# Altium PCB Control_Board_Model_C204.PcbDoc (part 6 of 6)
Units mm, origin at the board's own origin, x right, y up, seen from the top; angles counter-clockwise.
Board outline 50 x 50 mm, 8 copper layers (1-Top, 2-GND, 3-SIGNAL, 4-PWR, 5-GND, 6-SIGNAL, 7-GND, 8-Bottom), stack 0.972 mm thick; 432 components, 324 nets, 1521 pads, 1172 vias.
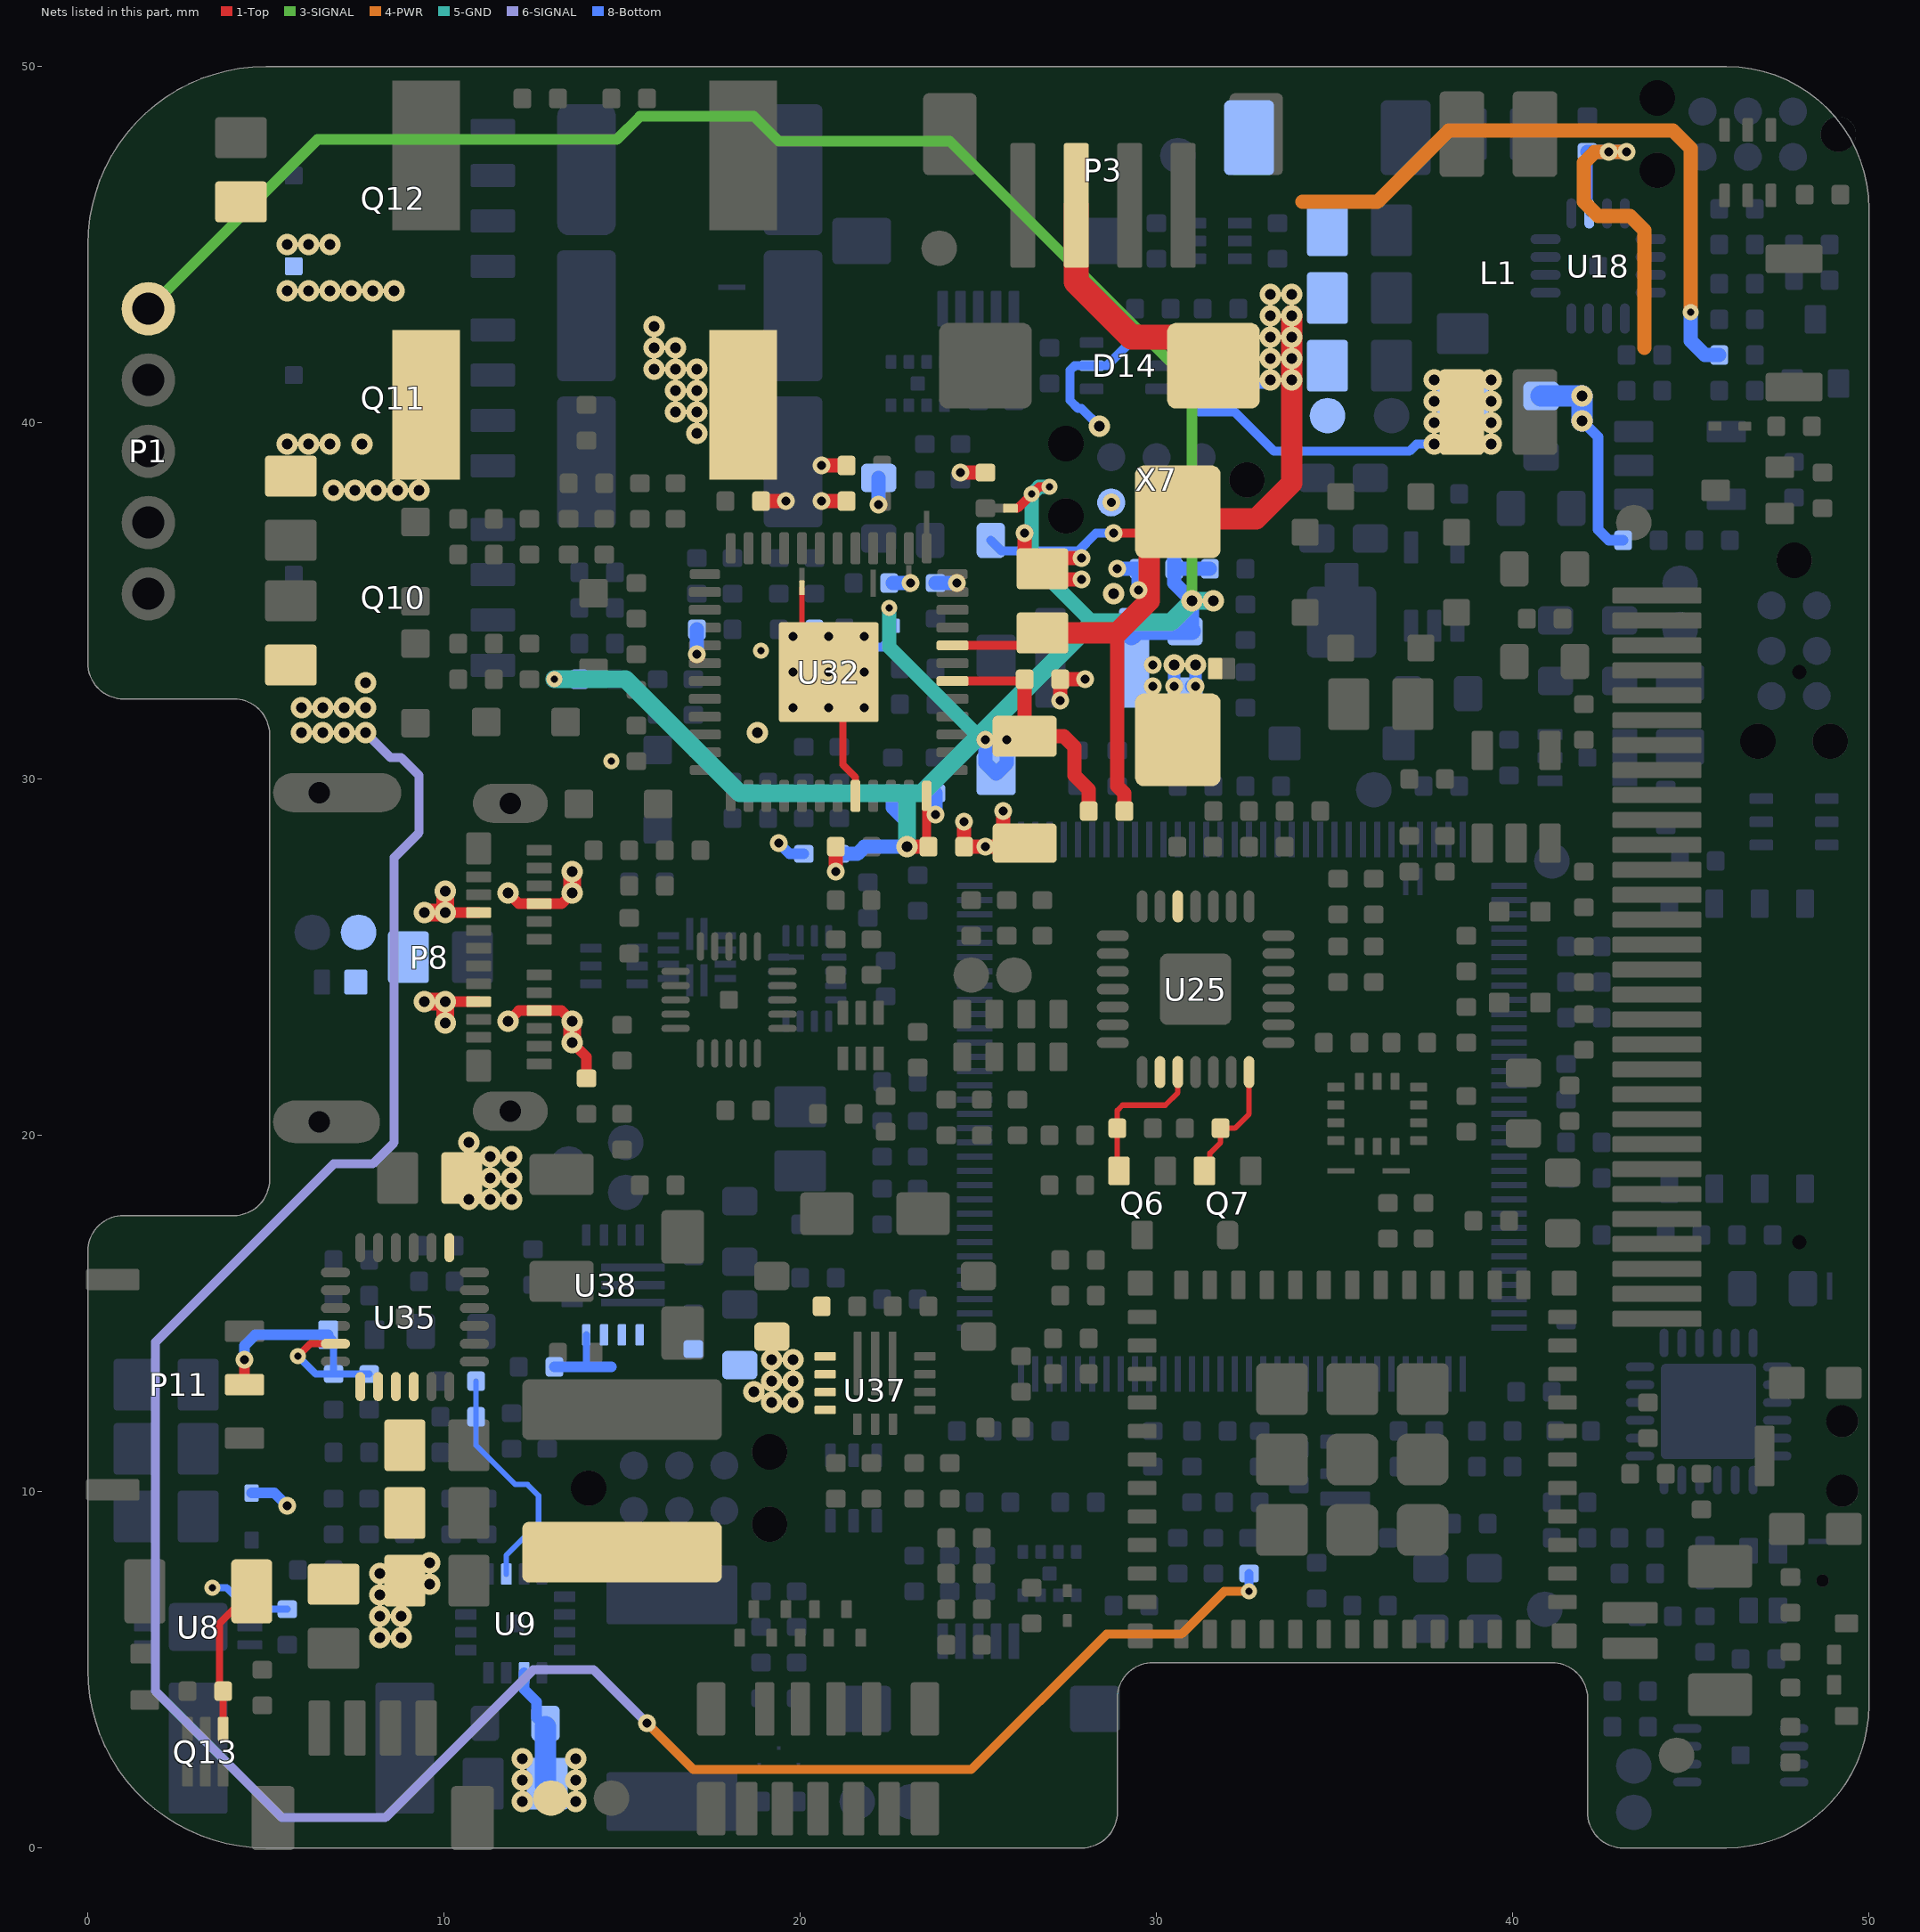
[diagram p12: the nets of this part, all layers, seen from the top]

## Via types
v1: diameter 0.45, hole 0.2, 1-Top to 8-Bottom, tented both sides, 333 vias
v2: diameter 0.5, hole 0.25, 7-GND to 8-Bottom, tented bottom, 258 vias
v3: diameter 0.6, hole 0.3, 1-Top to 8-Bottom, tented both sides, 236 vias
v4: diameter 0.5, hole 0.25, 1-Top to 2-GND, tented top, 231 vias
v5: diameter 0.5, hole 0.25, 1-Top to 8-Bottom, tented both sides, 113 vias
v6: diameter 0.45, hole 0.2, 1-Top to 2-GND, tented top, 1 vias

## Nets (pads, with @x,y where several pads share a name; then routed paths per layer and width w, separated by ;. In a path a pad name is that pad's centre, name@x,y a point inside that pad or via, vN(x,y) a via of type N, cw(c..) or ccw(c..) an arc to the next point about the centre after c; other vN are vias at no path point) (continued)
SIG-GND: C115.1 C136.1 C137.1 C138.1 C139.1 C140.1 C141.2 C142.2 C143.1 C144.1 C145.2 C149.2 D14.2 D14.4 D15.2 J3.2 J10.1 R117.1 R119.1 R140.1 R167.2 R168.2 R171.1 U32.44 U32.49 X7.5 | length 29.5
  1-Top w0.152: J10.1@20.05,35.369 20.05,33.75 v4(20.8,33)
  1-Top w0.2: v4(20.8,33) 21.2,32.6 21.2,30.4 21.55,30.05 U32.44@21.55,29.525
  1-Top w0.4: C115.1@18.9,37.8 v4(19.6,37.8) ; v4(20.6,37.8) C138.1@21.3,37.8 ; v4(20.6,38.8) R168.2@21.3,38.8 ; v4(21,27.4) R167.2@21,28.1 ; v4(24.5,38.6) C145.2@25.2,38.6 ; v4(24.6,28.8) C149.2@24.6,28.1 C139.1@26,28.1 ; C139.1@25.7,28.4 v4(25.7,29.1) ; C144.1@26.3,36.2 v4(26.3,36.9) ; C144.1@27.2,35.6 v4(27.9,35.6) ; C144.1@27.2,36.2 v4(27.9,36.2) ; v4(27.3,32.2) C141.2@27.3,32.8 v4(28,32.8)
  8-Bottom w0.25: v3(28.4,39.9) 27.9,40.4 27.8,40.4 27.573,40.627 27.573,41.473 27.7,41.6 D14.2@28.18,41.6 28.6,41.6 29.25,42.25 D14.4@30.02,42.25
  8-Bottom w0.3: v2(19.4,28.2) 19.7,27.9 R140.1@20.1,27.9
  8-Bottom w0.35: v4(30.5,32.6) v3(30.5,33.2) ; C140.1@31.1,32.7 v3(31.1,33.2)
  8-Bottom w0.4: v2(17.1,33.5) R117.1@17.1,34.2 ; v2(22.2,37.7) R171.1@22.2,38.45 ; C143.1@22.6,35.5 v2(23.1,35.5) ; v2(23.8,29) R119.1@23.8,29.6 ; C137.1@23.8,35.5 v2(24.4,35.5) ; v2(25.2,31.1) 25.2,30.449 D15.2@25.5,30.149 25.8,30.449 v2(25.8,31.1) ; v2(28.9,35.9) C136.1@29.5,35.9 v2(29.5,35.3) ; C140.1@31,32.6 C140.1@31.1,32.7
  other v1: 14.7,30.5 18.9,33.6
  other v3: 18.8,31.3 28.8,35.2
  other v4: 25.2,28.1 19.8,32 20.8,32 21.8,32 29.9,32.6 31.1,32.6 19.8,33 21.8,33 29.9,33.2 19.8,34 20.8,34 21.8,34
  other v5: 28.73,37.765
STBY/R\E\S\E\T\: C45.2 R69.1 U9.14 | length 6.7
  8-Bottom w0.152: R69.1@10.9,13.1 C45.2@10.9,12.1 10.9,11.3 12,10.2 12.341,10.2 12.654,9.888 12.654,9.123 11.75,8.219 U9.14@11.75,7.685
SUSP: U25.12
TS: D20.1 P11.2 R177.2 R178.2 U35.11 | length 8.1
  1-Top w0.2: v1(5.9,13.8) 6.25,14.15 U35.11@6.95,14.15
  1-Top w0.3: P11.2@4.4,13 v5(4.4,13.7)
  8-Bottom w0.2: v1(5.9,13.8) 6.4,13.3 R178.2@6.9,13.3 ; D20.1@6.75,14.4 6.9,14.25 R178.2@6.9,13.3 ; R177.2@7.9,13.3 R178.2@6.9,13.3
  8-Bottom w0.3: v5(4.4,13.7) 4.4,14.1 4.7,14.4 D20.1@6.75,14.4
UART0.CTS: U25.23
UART0.DTR: Q7.2 R57.1 U25.28 | length 3.5
  1-Top w0.152: Q7.2@31.35,19 31.5,19.15 31.5,19.5 31.8,19.8 R57.1@31.8,20.2 32.2,20.2 32.6,20.6 U25.28@32.6,21.776
UART0.RTS: Q6.2 R58.1 U25.24 | length 4.2
  1-Top w0.152: Q6.2@28.95,19 28.9,19.05 R58.1@28.9,20.2 28.9,20.7 29.046,20.846 30.246,20.846 30.6,21.2 U25.24@30.6,21.776
VBAT: C4.2 C164.2 D2.2 Q13.4 R152.1 R153.2 U8.1 U35.13 U35.14 | length 7.9
  1-Top w0.2: Q13.4@3.8,3.34 R153.2@3.8,4.4 3.7,4.5 3.7,6.3 R152.1@4.6,7.2
  1-Top w0.25: R152.1@4.6,7.2 R152.1@4.8,7
  8-Bottom w0.2: v1(3.5,7.3) 3.9,7.3 4.3,6.9 U8.1@4.3,6.7 ; U8.1@4.55,6.7 C4.2@5.6,6.7
  8-Bottom w0.3: D2.2@4.6,9.96 5.24,9.96 v5(5.6,9.6)
VBUS: C59.1 C159.1 D4.1 P8.A4 P8.A9 P8.B4 P8.B9 R85.1 TP12.1 U35.1 | length 10.7
  1-Top w0.3: v3(10.04,23.75) P8.B4@10.97,23.75 ; v3(10.04,26.25) P8.B9@10.97,26.25 ; v3(11.8,23.2) 12.1,23.5 P8.A9@12.67,23.5 13.3,23.5 v3(13.6,23.2) ; v3(11.8,26.8) 12.1,26.5 P8.A4@12.67,26.5 13.3,26.5 v3(13.6,26.8) ; v3(13.6,22.6) 14,22.2 R85.1@14,21.6
  1-Top w0.5: v3(9.45,23.75) v3(10.04,23.75) v3(10.04,23.15) ; v3(9.45,26.25) v3(10.04,26.25) v3(10.04,26.85) ; v3(13.6,22.6) v3(13.6,23.2) ; v3(13.6,26.8) v3(13.6,27.4)
  other v3: 10.7,18.2 11.3,18.2 11.9,18.2 11.3,18.8 11.9,18.8 11.3,19.4 11.9,19.4 10.7,19.8
VDD: C136.2 C140.2 C149.1 D16.1 J9.2 L2.1 P1.5 R116.2 R118.2 R120.1 R139.2 R166.1 U32.48 X7.1 | length 92.5
  1-Top w0.25: C149.1@23.5,28 23.55,28.05 U32.48@23.55,29.525 ; J9.2@26.1,37.6 v1(26.5,38) 26.7,38.2 v1(27,38.2)
  1-Top w0.4: v3(23,28.1) C149.1@23.6,28.1
  3-SIGNAL w0.3: P1.5@1.7,43.2 6.452,47.952 14.852,47.952 15.5,48.6 18.7,48.6 19.4,47.9 24.2,47.9 31,41.1 v3(31,35)
  5-GND w0.4: v1(22.5,34.8) 22.5,33.7 25,31.2 ; v1(27,38.2) 26.7,38.2 v1(26.5,38) 26.5,36.1 28.2,34.4
  5-GND w0.5: v1(13.1,32.8) 15.1,32.8 18.3,29.6 23,29.6 ; v3(23,28.1) 23,29.6 ; v3(31.6,35) v3(31,35) 30.4,34.4 28.2,34.4 25,31.2 23.4,29.6 23,29.6
  8-Bottom w0.25: R116.2@20.4,34.2 20.4,33.8 20.5,33.7 22.3,33.7 22.5,33.9 v1(22.5,34.8)
  8-Bottom w0.4: v1(13.1,32.8) R120.1@13.8,32.8 ; R139.2@21.1,27.9 21.6,27.9 21.8,28.1 v3(23,28.1) 23,28.8 22.6,29.2 R118.2@22.6,29.6 ; C140.2@31,34.15 v3(31,35) ; X7.1@31.27,37.765 30.5,36.995 C136.2@30.5,35.9 ; R166.1@31.5,35.9 C136.2@30.5,35.9 ; v3(31.6,35) v3(31,35) ; C136.2@30.5,35.9 30.5,35.5 v3(31,35)
  8-Bottom w0.5: L2.1@29.3,34 29.45,34.15 C140.2@31,34.15
VFAN: C3.1 C74.2 C75.2 C76.2 C116.1 C117.1 C118.2 C119.2 C121.2 C142.1 C144.2 D5.1 P3.2 Q10.5 Q11.5 Q12.5 R26.2 R86.1 R100.2 R169.2 R170.2 TP7.1 U32.8 | length 123.8
  1-Top w0.25: U32.8@24.275,33.75 26.35,33.75 C144.2@26.7,34.1 ; v5(28.8,36.9) 29.8,36.9 29.9,36.8 C142.1@30.6,37.5
  1-Top w0.4: 28.9,34.1 28.9,29.8 29.1,29.6 R169.2@29.1,29.1
  1-Top w0.6: C144.2@26.7,34.1 28.9,34.1 29.8,35 29.8,36.7 C142.1@30.6,37.5 30.8,37.3 32.8,37.3 33.8,38.3 v3(33.8,43)
  1-Top w0.7: P3.2@27.75,46.1 27.75,43.95 29.3,42.4 30.8,42.4 C3.1@31.6,41.6
  4-PWR w0.25: v5(15.7,3.5) 17.002,2.198 24.798,2.198 28.6,6 30.7,6 31.9,7.2 v1(32.6,7.2)
  4-PWR w0.4: 34.1,46.2 36.2,46.2 38.202,48.202 44.498,48.202 45,47.7 v1(45,43.1)
  6-SIGNAL w0.25: v3(7.8,31.3) 8.5,30.6 8.8,30.6 9.3,30.1 9.3,28.5 8.6,27.8 8.6,19.8 8,19.2 6.9,19.2 1.9,14.2 1.9,4.4 5.45,0.85 8.35,0.85 12.5,5 14.2,5 v5(15.7,3.5)
  8-Bottom w0.25: R170.2@25.35,36.7 25.65,36.4 27.8,36.4 28.3,36.9 v5(28.8,36.9) ; v1(32.6,7.2) R86.1@32.6,7.7
  8-Bottom w0.3: R26.2@32,41.1 v3@33.2,41.1
  8-Bottom w0.4: v1(45,43.1) 45,42.3 45.4,41.9 R100.2@45.8,41.9
  other v3: 6,31.3 6.6,31.3 7.2,31.3 6,32 6.6,32 7.2,32 7.8,32 7.8,32.7 6.9,38.1 7.5,38.1 8.1,38.1 8.7,38.1 9.3,38.1 5.6,39.4 6.2,39.4 6.8,39.4 7.7,39.4 17.1,39.7 16.5,40.3 17.1,40.3 16.5,40.9 17.1,40.9 33.2,41.2 33.8,41.2 15.9,41.5 16.5,41.5 17.1,41.5 33.2,41.8 33.8,41.8 15.9,42.1 16.5,42.1 33.2,42.4 33.8,42.4 15.9,42.7 33.2,43 33.2,43.6 33.8,43.6 5.6,43.7 6.2,43.7 6.8,43.7 7.4,43.7 8,43.7 8.6,43.7 5.6,45 6.2,45 6.8,45
VREG: C139.2 C141.1 R169.1 U32.6 | length 7.1
  1-Top w0.25: U32.6@24.275,32.75 26.25,32.75 C141.1@26.3,32.8
  1-Top w0.4: C141.1@26.3,32.8 C139.2@26.3,31.2 27.4,31.2 27.7,30.9 27.7,30.1 28.1,29.7 R169.1@28.1,29.1
VSYS: C48.1 C49.1 C69.2 C70.2 C165.2 C166.2 C167.2 C173.2 C174.2 C177.2 C178.2 FB3.1 FB7.1 L1.3 L4.2 R23.1 R159.2 TP11.1 U9.6 U18.2 U35.15 U35.16 U37.4 U37.5 U37.6 U37.7 U38.4 U38.5 U38.6 U38.7 | length 30.5
  4-PWR w0.4: v5(43.2,47.6) v5(42.7,47.6) 42.3,47.6 42,47.3 42,46.2 42.4,45.8 43.3,45.8 43.7,45.4 43.7,42.1
  8-Bottom w0.2: U38.7@13.995,14.4 13.995,13.505 14,13.5 ; C70.2@42.1,47.6 42.15,47.55 U18.2@42.15,45.875
  8-Bottom w0.25: R23.1@31,41.1 31,40.5 31.2,40.3 32.2,40.3 33.3,39.2 37.1,39.2 37.3,39.4 v3(37.8,39.4)
  8-Bottom w0.3: U9.6@12.25,4.915 12.25,4.45 12.6,4.1 12.6,3.65 C49.1@12.85,3.4 ; R159.2@13.1,13.5 14,13.5 14.7,13.5 ; v3(41.95,40.05) 42.4,39.6 42.4,37 42.7,36.7 FB3.1@43.1,36.7
  8-Bottom w0.4: C70.2@42.1,47.6 v5(43.2,47.6)
  8-Bottom w0.6: C49.1@12.85,3.4 12.85,1.75 C48.1@12.9,1.7 ; FB7.1@40.8,40.75 v3(41.95,40.75) v3(41.95,40.05)
  other v3: 12.2,1.3 13.7,1.3 12.2,1.9 13.7,1.9 12.2,2.5 13.7,2.5 8.2,5.9 8.8,5.9 8.2,6.5 8.8,6.5 8.2,7.1 9.6,7.4 8.2,7.7 9.6,8 19.2,12.5 19.8,12.5 18.7,12.8 19.2,13.1 19.8,13.1 19.2,13.7 19.8,13.7 39.4,39.4 37.8,40 39.4,40 37.8,40.6 39.4,40.6 37.8,41.2 39.4,41.2
pads on no net: BTN2.MH D14.3 ESP1.25 ESP1.32 OLED1.0 OLED1.7 P2.S1 P2.S2 P8.A2 P8.A3 P8.A10 P8.A11 P8.B2 P8.B3 P8.B10 P8.B11 P9.S1 P9.S2 P11.S1 P11.S2 U6.4 U7.4 U8.EP U15.4 U16.4 U20.13 U22.3 U22.6 U23.1 U25.1 U25.2 U25.10 U25.13 U25.14 U25.15 U25.16 U25.17 U25.18 U25.19 U25.20 U25.21 U25.22 U25.27 U30. U32.4 U32.5 U32.17 U32.18 U32.43 X1.S1 X1.S2 X5.0 X7.0 X7.6 X8.0 X9.0

## Polygon pours and split planes (outlines as drawn)
VSYS on 4-PWR "6-SIGNAL-No Net" (solid, remove dead copper, pour order 6): 36,42.4 34.1,40.5 29.8,40.5 28.3,39 13.3,39 5.6,31.3 5.6,18.7 cw(c4.1,18.7) 4.1,17.2 1,17.2 ccw(c0.999,16.701) 0.5,16.7 0.5,5 ccw(c5,5) 5,0.5 16.5,0.5 17,1 17,8.9 17,10.7 20.2,10.7 20.2,14.6 15.8,19 15.8,26 21.7,31.9 31.3,31.9 36,36.6 43.8,36.6 44.2,37 44.2,42.1 43.9,42.4
VFAN on 4-PWR "6-SIGNAL-No Net" (solid, remove dead copper, pour order 4): 34.4,41.3 34.4,47.5 34,47.9 18.6,47.9 15.2,44.5 15.2,40.8 16.6,39.4 20.4,39.4 21.7,40.7 21.7,40.8 33.9,40.8
+3V3 on 4-PWR "6-SIGNAL-No Net" (solid, remove dead copper, pour order 8): 49.5,4 49.5,34 33.8,34 31.4,31.6 21.8,31.6 18.5,28.3 18.5,26.5 16.2,26.5 16.2,19.1 20.5,14.8 20.5,10.1 24.9,5.7 41.1,5.7 cw(c41.1,4.2) 42.6,4.2 42.6,1.1 ccw(c43.2,1.1) 43.2,0.5 46,0.5 ccw(c46,4)
SIG-GND on 2-GND "6-SIGNAL-No Net" (solid, remove dead copper, pour order 10): 13,31 17.1,26.9 27.4,26.9 31.6,31.1 31.6,39.8 31.2,40.2 13.4,40.2 13,39.8
GND on 2-GND "6-SIGNAL-No Net" (solid, remove dead copper, pour order 14): 5,49.5 45.8,49.5 cw(c45.8,45.7) 49.6,45.7 49.6,3.9 cw(c46.201,3.899) 46.2,0.5 43.2,0.5 cw(c43.2,1.1) 42.6,1.1 42.6,4.2 ccw(c41.1,4.2) 41.1,5.7 29.9,5.7 ccw(c29.9,4.2) 28.4,4.2 28.4,1 cw(c27.9,1) 27.9,0.5 5,0.5 cw(c5,5) 0.5,5 0.5,16.7 cw(c1,16.7) 1,17.2 4.1,17.2 ccw(c4.1,18.7) 5.6,18.7 5.6,31.3 ccw(c4.1,31.3) 4.1,32.8 1,32.8 cw(c1,33.3) 0.5,33.3 0.5,45 cw(c5,45)
SIG-GND on 7-GND "6-SIGNAL-No Net" (solid, remove dead copper, pour order 12): 13,31 17.1,26.9 27.4,26.9 31.6,31.1 31.6,39.4 30.8,40.2 21.6,40.2 21.6,37 21.2,36.6 13,36.6
GND on 7-GND "6-SIGNAL-No Net" (solid, remove dead copper, pour order 16): 17.7,49.5 45.8,49.5 cw(c45.8,45.7) 49.6,45.7 49.6,3.9 cw(c46.201,3.899) 46.2,0.5 43.2,0.5 cw(c43.2,1.1) 42.6,1.1 42.6,4.2 ccw(c41.1,4.2) 41.1,5.7 29.9,5.7 ccw(c29.9,4.2) 28.4,4.2 28.4,1 cw(c27.9,1) 27.9,0.5 5,0.5 cw(c5,5) 0.5,5 0.5,16.7 cw(c1,16.7) 1,17.2 4.1,17.2 ccw(c4.1,18.7) 5.6,18.7 5.6,31 17.7,31
GND on 8-Bottom "6-SIGNAL-No Net" (solid, remove dead copper, pour order 18): 22.5,49.5 46,49.5 cw(c46,45.9) 49.6,45.9 49.6,3.9 cw(c46.201,3.899) 46.2,0.5 43.2,0.5 cw(c43.2,1.1) 42.6,1.1 42.6,4.2 ccw(c41.2,4.2) 41.2,5.6 29.7,5.6 ccw(c29.7,4.3) 28.4,4.3 28.4,1 cw(c27.9,1) 27.9,0.5 5,0.5 cw(c5,5) 0.5,5 0.5,16.7 cw(c1,16.7) 1,17.2 4.1,17.2 ccw(c4.1,18.7) 5.6,18.7 5.6,30.5 22.1,30.5 22.1,49.1
GND on 5-GND "6-SIGNAL-No Net" (solid, remove dead copper, pour order 20): 5,49.5 45.8,49.5 cw(c45.8,45.7) 49.6,45.7 49.6,4.1 cw(c46.001,4.099) 46,0.5 43.2,0.5 cw(c43.2,1.1) 42.6,1.1 42.6,4.2 ccw(c41.1,4.2) 41.1,5.7 29.9,5.7 ccw(c29.9,4.2) 28.4,4.2 28.4,1 cw(c27.9,1) 27.9,0.5 5,0.5 cw(c5,5) 0.5,5 0.5,16.7 cw(c1,16.7) 1,17.2 4.1,17.2 ccw(c4.1,18.7) 5.6,18.7 5.6,31.3 ccw(c4.1,31.3) 4.1,32.8 1,32.8 cw(c1,33.3) 0.5,33.3 0.5,45 cw(c5,45)
GND on 1-Top "6-SIGNAL-No Net" (solid, remove dead copper, pour order 22): 5,49.5 45.8,49.5 cw(c45.8,45.7) 49.6,45.7 49.6,3.9 cw(c46.201,3.899) 46.2,0.5 43.2,0.5 cw(c43.2,1.1) 42.6,1.1 42.6,4.2 ccw(c41.1,4.2) 41.1,5.7 29.9,5.7 ccw(c29.9,4.2) 28.4,4.2 28.4,1 cw(c27.9,1) 27.9,0.5 5,0.5 cw(c5,5) 0.5,5 0.5,16.7 cw(c1,16.7) 1,17.2 4.1,17.2 ccw(c4.1,18.7) 5.6,18.7 5.6,31.3 ccw(c4.1,31.3) 4.1,32.8 1,32.8 cw(c1,33.3) 0.5,33.3 0.5,45 cw(c5,45)

## Keep-outs
Keep-Out Layer:
  text "'.Layer_Name'" at 132.4,-1.5 h2.5

## Other copper
1-Top:
  pour cut-out: 22.65,44.9 cw(c23.9,44.9) 25.15,44.9 cw(c23.9,44.9)
  pour cut-out: 43.35,2.6 cw(c44.6,2.6) 45.85,2.6 cw(c44.6,2.6)
  pour cut-out: 42.15,37.2 cw(c43.4,37.2) 44.65,37.2 cw(c43.4,37.2)
  region net GND: 29.931,5.6 41.7,5.6 41.8,5.7 41.8,7.7 41,7.7 40.6,7.3 38.4,7.3 37.8,6.7 33.112,6.7 31.988,6.7 31.788,6.9 30.5,6.9 30.1,6.5 28.3,6.5 28.3,3.86 cw(c29.789,4.099)
  region net GND: 4.9,14.2 3.3,14.2 3.3,15.1 3.5,15.3 4.934,15.3 5,15.234 5,14.3
  pour cut-out: 44.2,48.5 45.1,48.5 45.1,48.7 44.2,48.7
  region net GND: 40,42.1 40,38.5 41.4,38.5 41.4,42.1
  pour cut-out: 28,48 30.6,48 30.6,47.8 28,47.8
  region net GND: 33.21,36.989 34.31,38.089 34.31,38.607 34.502,38.8 35.8,38.8 36,38.6 36,37.4 34.6,36 33.4,36 33.2,36.2
  region net GND: 41.7,31.4 42.6,31.4 42.6,29 42.5,28.9 42.1,28.9 41.6,29.4 41.6,31.3
  region net GND: 32.009,32.122 32.009,33.9 32.015,33.907 32.022,33.9 32.6,33.9 32.6,32.4 32.3,32.1
  pour cut-out: 29.3,25.9 32.9,25.9 32.9,22.3 29.3,22.3
  region net GND: 2.3,2.6 2.3,4.3 2.1,4.5 1.256,4.5 0.804,4.047 0.804,3.596 1.1,3.3
  region net GND: 6.9,19.472 8.472,19.472 8.6,19.6 8.6,20.1 9.535,20.1 9.603,20.033 9.603,18.303 9.4,18.1 8.047,18.1 7.817,18.33 7.817,18.553
  pour cut-out: 7.4,16.4 10.4,16.4 10.4,13.4 7.4,13.4
  pour cut-out: 16.8,25 19.2,25 19.2,22.6 16.8,22.6
  region net GND: 13.5,21.65 13.5,20.3 10.1,20.3 10.1,22.4 11.9,22.4 12.15,22.15 13,22.15
  region net GND: 13.1,27.95 13.1,30 12.8,30.3 10.1,30.3 10.1,27.6 11.9,27.6 12.15,27.85 13,27.85
  pour cut-out: 29.6,27.6 31,27.6 31,28.8 29.6,28.8
  pour cut-out: 19.8,40.4 26.404,40.4 26.933,39.871 26.862,39.8 19.8,39.8
  region net GND: 2.8,47.2 2.8,46.288 3.712,47.2 5.8,47.2 5.8,49 3.4,49 2.8,48.4
  region net GND: 6.4,37.4 4.2,37.4 4.2,34.1 6.2,34.1 6.5,34.4 6.5,37.3
  region net SIG-GND: 29.4,30.1 29.4,33.4 29.6,33.6 31.6,33.6 31.8,33.4 31.8,30.1
  region net NetL5_2: 22.475,12.725 22.475,14.575 22.6,14.7 22.9,14.7 23.025,14.575 23.025,14 23.025,12.75 22.925,12.65 22.55,12.65
  region net NetL5_1: 21.725,12.725 21.725,14.575 21.6,14.7 21.3,14.7 21.175,14.575 21.175,14 21.175,12.75 21.275,12.65 21.65,12.65
  region net GND: 22.3,12.725 22.3,14.65 22.55,14.9 22.9,14.9 23,15 23,15.35 23.35,15.7 25.2,15.7 25.2,16.3 23.1,16.3 21.2,16.3 19.2,16.3 19.2,15.7 20.9,15.7 21.2,15.4 21.2,15.1 21.4,14.9 21.65,14.9 21.9,14.65 21.9,12.725 22,12.625 22.2,12.625
  region net NetL5_2: 24.4,18.3 24.4,16.7 24.2,16.5 22.3,16.5 22.1,16.7 22.1,18.301 22.299,18.5 24.2,18.5
  region net NetL5_1: 19.8,18.3 19.8,16.7 20,16.5 21.7,16.5 21.9,16.7 21.9,18.3 21.7,18.5 20,18.5
  region net NetL6_1: 14.599,15.6 17.2,15.6 17.5,15.3 17.5,13.8 17.3,13.6 15.6,13.6 14.375,14.825 14.375,15.376
  region net NetL6_2: 14.604,15.996 17.196,15.996 17.5,16.3 17.5,17.8 17.3,18 15.6,18 14.375,16.775 14.375,16.225
  region net VBUS: 10,16.525 10,17.225 10.2,17.425 10.2,17.85 9.8,18.25 9.8,20 9.9,20.1 10.9,20.1 11.1,19.9 11.9,19.9 12.2,19.6 12.2,17.8 10.85,16.45 10.075,16.45
  region net VSYS: 37.7,39 39.5,39 39.8,39.3 39.8,41.3 39.5,41.6 37.7,41.6 37.4,41.3 37.4,39.3
  region net NetC73_2: 39.3,49.2 39.3,46.7 39,46.4 39,44.6 38.8,44.4 37.7,44.4 35.5,46.6 35.5,49.1 35.8,49.4 39.1,49.4
  region net NetC73_1: 41.4,49.2 41.4,45.5 40.3,44.4 39.5,44.4 39.3,44.6 39.3,46.4 39.6,46.7 39.6,49.2 39.8,49.4 41.2,49.4
  region net VFAN: 31.5,44 33.9,44 34.2,43.7 34.2,39.7 33.9,39.4 30.4,39.4 30.2,39.6 30.2,42.7
  region net VFAN: 3.4,46.6 3.4,38 3.8,37.6 6.5,37.6 6.7,37.4 6.7,34.3 6.3,33.9 5.1,33.9 4.9,33.7 4.9,32.5 5.6,31.8 5.6,31.1 5.9,30.8 7.9,30.8 8.2,31.1 8.2,37.5 8.5,37.8 11,37.8 11.8,38.6 11.8,40.8 12.2,41.2 12.9,41.2 13.1,41 14.9,41 17.5,38.4 19.3,38.4 19.7,38.8 19.7,43 19.3,43.4 16.2,43.4 15.6,44 12.199,44 11.799,44.4 8,44.4 5.4,47 3.8,47
  region net NetC152_2: 36.2,31.5 36.2,34.8 35.8,35.2 33.8,35.2 33.6,35 33.6,32.2 34.5,31.3 36,31.3
  region net NetC152_1: 36.4,31.5 36.4,34.8 36.8,35.2 38.9,35.2 39.3,34.8 39.3,32.5 38.1,31.3 36.6,31.3
  region net NetC150_2: 37.7,36.4 39.2,36.4 39.5,36.7 39.5,38.1 39.2,38.4 37.1,38.4 36.8,38.1 36.8,37.3
  region net VSYS: 8.5,13.275 8.5,12.4 7.9,11.8 7.9,4.8 8.4,4.3 11.4,4.3 11.8,3.9 11.8,1 12,0.8 13.8,0.8 14,1 14,2.749 13.6,3.149 13.6,4.3 15.4,6.1 17.7,6.1 18,6.4 18,9.1 17.7,9.4 12.4,9.4 12,9 12,7.1 11.4,6.5 10.1,6.5 9.9,6.7 9.9,11.8 9.3,12.4 9.3,13.275 9.2,13.375 8.6,13.375
  region net GND: 9.5,13.7 9.5,12.5 10.1,11.9 10.1,6.8 10.2,6.7 11.3,6.7 11.8,7.2 11.8,11.8 10.25,13.35 10.25,13.7 9.9,13.7
  region net VBAT: 8.3,13.275 8.3,12.5 7.7,11.9 7.7,6.6 7.5,6.4 6.1,6.4 5.5,5.8 3.5,5.8 3.2,6.1 3.2,7.5 5.3,9.6 5.3,11.3 7.375,13.375 8.2,13.375
  region net NetC162_2: 10.425,14.2 10.425,13.475 12,11.9 12,11.4 12.2,11.2 17.7,11.2 18,11.5 18,13.1 17.7,13.4 12.9,13.4 12,14.3 10.525,14.3
  region net NetD19_1: 2.5,5 0.8,5 0.5,5.3 0.5,8.5 2,10 2,11.6 2.2,11.8 4.95,11.8 5.1,11.65 5.1,9.7 3,7.6 3,5.5
  region net +3V3_AUD: 23.2,12.7 23.2,15.3 23.4,15.5 24.1,15.5 24.5,15.1 25.4,15.1 25.6,14.9 25.6,12.8 25.4,12.6 23.3,12.6
  region net VSYS: 21,12.2 21,15.3 20.8,15.5 20.1,15.5 19.7,15.1 18.5,15.1 18.2,14.8 18.2,12.3 18.4,12.1 20.9,12.1
  pour cut-out: 45.9,45.9 45.905,45.905 47.643,45.905 47.643,46.557 47.5,46.7 45.9,46.7
  region net GND: 7.7,6.1 7.7,4.6 7.5,4.4 5.8,4.4 5.6,4.6 5.6,5.6 6.2,6.2 7.6,6.2
  region net GND: 12.4,17.5 12.4,20.4 13.4,20.4 13.9,19.9 15.2,19.9 15.3,19.8 15.3,19.4 13.6,17.7 13,17.7
  region net GND: 7.9,49.5 11.2,49.5 11.2,45 7.9,45
  region net GND: 17.7,49.5 20.1,49.5 20.1,45 17.5,45 16.7,45 16.7,46.7 17.3,46.7 17.5,46.9 17.5,49.3
  text "'.Layer_Name'" at 132.4,58.5 h2.5
2-GND:
  pour cut-out: 14.1,0.4 14.1,1.3 13.8,1 13.8,0.4
  pour cut-out: 6.1,0.4 6.1,1.5 6.3,1.5 6.3,0.4
  text "'.Layer_Name'" at 132.5,56 h2.5
3-SIGNAL:
  region net NetL5_2: 22.1,16.9 22.1,12.9 22.4,12.6 22.9,12.6 23.1,12.8 23.1,14.9 24.4,16.2 24.4,16.9 24.2,17.1 22.3,17.1
  region net NetL5_1: 21.9,16.9 21.9,12.9 21.6,12.6 21.1,12.6 20.8,12.9 20.8,15.2 19.8,16.2 19.8,16.9 20,17.1 21.7,17.1
  text "'.Layer_Name'" at 132.5,53.5 h2.5
4-PWR:
  pour cut-out: 8.4,30.2 8.4,34.4 8.2,34.4 8.2,30.1
  pour cut-out: 40,9.6 40.6,9.6 40.8,9.4 40.8,7.6 40.6,7.4 40,7.4 39.8,7.6 39.8,9.4
  region net +3V3_AUD: 24.5,13.6 24.5,12.9 24.7,12.7 25.4,12.7 25.6,12.9 25.6,13.6 25.4,13.8 24.7,13.8
  text "'.Layer_Name'" at 132.5,51 h2.5
6-SIGNAL:
  text "'.Layer_Name'" at 132.5,46 h2.5
7-GND:
  region net OUT_W: 12.7,45 7.9,45 7.3,45.6 5.2,45.6 5,45.4 5,43.5 3.8,42.3 3.8,39.5 2.7,38.4 1,38.4 0.8,38.6 0.8,39.8 1,40 2.2,40 2.8,40.6 2.8,47.1 4.3,48.6 10.1,48.6 12.3,46.4 12.7,46.4 12.9,46.2 12.9,45.8 12.9,45.2
  region net OUT_V: 1,36.4 3.9,36.4 5,37.5 5,39.7 5.3,40 8,40 9.2,38.8 12.7,38.8 12.9,39 12.9,40 12.7,40.2 12.1,40.2 11.9,40.4 11.9,42.8 11.7,43 5,43 4.1,42.1 4.1,39.3 2.8,38 1,38 0.8,37.8 0.8,36.6
  region net OUT_U: 1,32.8 7.1,32.8 8.3,34 12.7,34 12.8,34.1 12.8,35.3 12.7,35.4 12.2,35.4 10.2,37.4 5.4,37.4 4,36 1,36 0.8,35.8 0.8,33
  text "'.Layer_Name'" at 132.5,43.5 h2.5
5-GND:
  region net +3V3_AUX: 45.6,32.7 46.5,32.7 46.7,32.9 46.7,33.9 46.5,34.1 45.4,34.1 45.4,32.9
  pour cut-out: 17.001,26.7 28.6,26.7 31.7,29.8 31.7,36.6 30.3,36.6 30.3,40.7 12.8,40.7 12.8,30.9
  pour cut-out: 12.4,21.5 13.5,21.5 13.5,20 12.4,20
  text "'.Layer_Name'" at 132.5,48.5 h2.5
8-Bottom:
  pour cut-out: 14.75,19.2 ccw(c13.5,19.2) 12.25,19.2 ccw(c13.5,19.2)
  pour cut-out: 31.85,47.5 ccw(c30.6,47.5) 29.35,47.5 ccw(c30.6,47.5)
  pour cut-out: 42.15,6.7 ccw(c40.9,6.7) 39.65,6.7 ccw(c40.9,6.7)
  pour cut-out: 10.9,7.4 13.1,7.4 13.1,5.2 10.9,5.2
  pour cut-out: 15.6,28.1 15.6,27.3 15.8,27.3 15.8,28.2
  region net GND: 36.4,5.6 39.9,5.6 40.132,5.832 40.132,5.968 39.8,6.3 36.4,6.3
  region net GND: 33.3,38.869 37.531,38.869 37.996,38.404 37.996,37.083 37.779,37.3 37,37.3 36.7,37.6 33.3,37.6
  region net VFAN: 5.5,35 9.741,35 9.9,34.841 9.9,33 9.9,31.1 9.6,30.8 5.9,30.8 5.6,31.1 5.6,31.8 5.3,32.1 5.3,34.8
  region net +3V3: 41.4,31.1 41.4,31.8 41.8,32.2 41.8,33.5 41.5,33.8 40,33.8 39.7,33.5 39.7,32.1 40.7,31.1
  region net +3V3_AUX: 42.8,31.1 42.8,31.8 42.4,32.2 42.4,33 42.7,33.3 43.7,33.3 44,33.6 44,34.3 44.4,34.7 46.3,34.7 46.6,34.4 46.6,32.4 46.3,32.1 43.9,32.1 43.6,31.8 43.6,31.2 43.5,31.1
  region net +3V3: 14.4,16.9 15.6,16.9 15.625,16.925 15.625,17.325 15.75,17.45 16.425,17.45 16.675,17.2 19.6,17.2 20.3,17.2 20.4,17.3 20.4,18 21,18.6 21.4,18.6 21.7,18.9 21.7,19.7 21.4,20 18.4,20 17.3,18.9 14.8,18.9 14.35,18.45 14.35,16.95
  region net VSYS: 14.4,14.7 15.6,14.7 15.625,14.675 15.625,14.275 15.75,14.15 16.425,14.15 16.575,14.3 20.2,14.3 20.5,14 20.5,12.5 20.2,12.2 16.7,12.2 15.9,13 14.575,13 14.35,13.225 14.35,14.65
  region net GND: 14.425,16 16.35,16 16.6,16.25 16.6,17 18.993,17 18.993,14.5 16.6,14.5 16.6,15.35 16.35,15.6 14.425,15.6 14.325,15.7 14.325,15.9
  region net NetL6_1: 14.425,15.425 16.225,15.425 16.4,15.25 16.4,14.45 16.3,14.35 15.9,14.35 15.8,14.45 15.8,14.775 15.7,14.875 14.45,14.875 14.35,14.975 14.35,15.35
  region net NetL6_2: 14.425,16.175 16.225,16.175 16.4,16.35 16.4,17.15 16.3,17.25 15.9,17.25 15.8,17.15 15.8,16.825 15.7,16.725 14.45,16.725 14.35,16.625 14.35,16.25
  region net VSYS: 11.9,2.7 11.9,1.1 12,1 13.9,1 14,1.1 14,2.7 13.9,2.8 12,2.8
  region net GND: 35.8,39.6 37,39.6 37.2,39.8 37.2,41.4 37.6,41.8 42.3,41.8 42.8,42.3 42.8,43.4 43,43.6 43,44.1 42.8,44.3 37.8,44.3 37.6,44.5 37.6,46.2 37.4,46.4 35.8,46.4 35.6,46.2 35.6,39.8
  region net VSYS: 37.7,41.6 39.5,41.6 39.8,41.3 39.8,39.3 39.5,39 37.7,39 37.4,39.3 37.4,41.3
  region net GND: 18.4,49 21.2,49 21.4,48.8 21.4,46.1 21.2,45.9 20.9,45.9 20.7,45.7 20.7,45.4 20.5,45.2 18.4,45.2 18.2,45.4 18.2,48.8
  region net GND: 18.4,44.9 20.5,44.9 20.7,44.7 20.7,44.4 20.9,44.2 21.2,44.2 21.4,44 21.4,41.3 21.2,41.1 18.4,41.1 18.2,41.3 18.2,44.7
  region net GND: 18.4,40.8 21.2,40.8 21.4,40.6 21.4,37.2 21.2,37 18.4,37 18.2,37.2 18.2,40.6
  region net SENSE1_P: 10.8,37.8 12.5,37.8 13,38.3 13,40.6 13.2,40.8 14.9,40.8 15.1,40.6 15.1,37.8 15.1,37.2 14.3,36.4 12.8,36.4 10.8,36.4 10.6,36.6 10.6,37.6
  region net NetC73_2: 39.4,48.8 39.4,47 39,46.6 39,44.6 38.9,44.5 37.9,44.5 37.8,44.6 37.8,46.4 37.6,46.6 35.8,46.6 35.6,46.8 35.6,48.9 35.8,49.1 39.1,49.1
  region net NetC73_1: 41.8,45.525 41.8,46.9 41.4,47.3 41.4,48.8 41.2,49 40,49 39.8,48.8 39.8,47 39.3,46.5 39.3,44.6 39.4,44.5 41.275,44.5 41.35,44.575 41.35,45.35 41.45,45.45 41.725,45.45
  region net VFAN: 33.8,39.6 35.4,39.6 35.4,48.9 35.2,49.1 31.9,49.1 31.8,49 31.8,46.9 31.9,46.8 33.8,46.8 34,46.6 34,44.3 33.7,44 33.1,44 32.8,43.7 32.8,40.6
  region net OUT_U: 1,36 4,36 5.4,37.4 9.6,37.4 9.6,35.3 5.3,35.3 5,35 5,33 4.8,32.8 1,32.8 0.8,33 0.8,35.8
  region net OUT_V: 1,36.4 3.9,36.4 5,37.5 5,40.6 5.3,40.9 8.9,40.9 8.9,43 5,43 4.1,42.1 4.1,39.3 2.8,38 1,38 0.8,37.8 0.8,36.6
  region net OUT_W: 1,38.4 2.7,38.4 3.8,39.5 3.8,42.3 5,43.5 5,46.1 5.4,46.5 8.4,46.5 8.4,48.6 4.3,48.6 2.8,47.1 2.8,40.6 2.2,40 1,40 0.8,39.8 0.8,38.6
  region net SENSE2_P: 10.8,41.9 12,41.9 12.8,41.1 15.1,41.1 15.1,43.1 15.1,44.7 14.9,44.9 13.2,44.9 13,44.7 13,43.7 12.6,43.3 10.8,43.3 10.6,43.1 10.6,42.1
  region net SENSE3_P: 15.1,45.4 15.1,48.8 14.9,49 10.8,49 10.6,48.8 10.6,47.8 10.8,47.6 12.5,47.6 13,47.1 13,45.4 13.2,45.2 14.9,45.2
  region net VFAN: 5.5,40.6 9.741,40.6 9.9,40.441 9.9,37.9 9.7,37.7 5.5,37.7 5.3,37.9 5.3,40.4
  region net VFAN: 5.5,46.2 9.741,46.2 9.9,46.041 9.9,43.5 9.7,43.3 5.5,43.3 5.3,43.5 5.3,46
  region net NetD15_1: 25.6,35.1 27.6,35.1 27.8,34.9 27.8,32.1 27.6,31.9 25,31.9 24.8,32.1 24.8,34.3
  region net NetC150_2: 38.2,38.3 38.2,36 38.4,35.8 39.9,35.8 40.5,36.4 40.5,37.7 41.4,38.6 41.4,39.4 41.2,39.6 40.4,39.6 39.4,38.6 38.5,38.6
  region net LCD_BL_K: 37.4,34.7 37.4,33.1 37.6,32.9 37.6,31.9 38.3,31.2 38.5,31 38.5,30.6 38.4,30.5 36.3,30.5 36.1,30.7 36.1,32.7 36.8,33.4 36.8,34.7 36.9,34.8 37.3,34.8
  region net LCD_BL_A: 34.1,37.3 36.5,37.3 36.7,37.1 36.7,35 36.6,34.9 36.6,33.5 36.4,33.3 34.1,33.3 33.9,33.5 33.9,37.1
  region net NetC152_2: 34.2,32.7 34.5,33 35.6,33 35.9,32.7 35.9,31.8 35.6,31.5 34.4,31.5 34.2,31.7
  region net VBUS: 13.7,26.4 10.7,26.4 9.9,25.6 9.9,24.4 10.7,23.6 13.7,23.6 14,23.3 14,22.5 13.7,22.2 10.9,22.2 10.6,21.9 10.6,20.4 11.1,19.9 12,19.9 12.3,19.6 12.3,18.1 12,17.8 10.3,17.8 8.4,19.7 8.4,21 7.1,22.3 7.1,27.3 7.6,27.8 13.7,27.8 14,27.5 14,26.7
  region net GND: 6.9,27.2 6.9,22.5 5.6,22.5 5.6,27.2
  region net +3V3_AUX: 19.1,4.6 19.3,4.4 19.3,3.24 18.86,2.8 18.1,2.8 17.8,3.1 17.8,4.3 18.1,4.6
  region net +1V8: 19.7,4.6 19.5,4.4 19.5,3.24 19.84,2.9 20.6,2.9 20.7,3 20.7,4.4 20.5,4.6
  region net GND: 19.4,3.123 19.923,2.6 20.5,2.6 20.7,2.4 20.7,2.2 20.5,2 19.877,2 19.077,2.8
  pour cut-out: 21.2,10.9 22.5,10.9 22.5,11.6 21.2,11.6
  region net GND: 39.6,34 43.4,34 44.5,35.1 44.5,35.2 39.6,35.2
  region net GND: 37.8,32.9 39.5,32.9 39.5,32 40.2,31.3 40.2,30.8 40,30.6 39.2,30.6 37.8,32
  pour cut-out: 44.4,2.1 45.4,2.1 45.4,1.6 45.2,1.4 44.1,1.4
  text "'.Layer_Name'" at 146.5,41.1 h2.5

## Silkscreen, mask and mechanical layers (free items; w line width, h text height)
Top Overlay:
  text "*" at 36.1,46.1 h0.65
  text "*" at 35.4,27.9 h0.65
  text "*" at 24.9,18.7 h0.65
  text "'.Layer_Name'" at 132.4,16 h2.5
  text "*" at 31.2,9.1 h0.65
Bottom Overlay:
  text "*" at 44.5,45.7 h0.65
  text "*" at 32.5,36.6 h0.65
  text "*" at 46.7,25 h0.65
  text "*" at 33.8,24.7 h0.65
  text "'.Layer_Name'" at 147.4,13.5 h2.5
Top Paste:
  text "'.Layer_Name'" at 132.4,11 h2.5
Bottom Paste:
  text "'.Layer_Name'" at 147.4,8.5 h2.5
Top Solder:
  region: 22.9,44.891 cw(c23.9,44.891) 24.9,44.891 cw(c23.9,44.891)
  region: 43.6,2.591 cw(c44.6,2.591) 45.6,2.591 cw(c44.6,2.591)
  region: 42.4,37.191 cw(c43.4,37.191) 44.4,37.191 cw(c43.4,37.191)
  text "'.Layer_Name'" at 132.4,6 h2.5
Bottom Solder:
  region: 14.5,19.191 ccw(c13.5,19.191) 12.5,19.191 ccw(c13.5,19.191)
  region: 31.6,47.491 ccw(c30.6,47.491) 29.6,47.491 ccw(c30.6,47.491)
  region: 41.9,6.691 ccw(c40.9,6.691) 39.9,6.691 ccw(c40.9,6.691)
  text "'.Layer_Name'" at 147.4,3.5 h2.5
Drill Guide:
  text "'.Layer_Name'" at 132.4,1 h2.5
Dimensions:
  text "'.Layer_Name'" at 132.4,38.5 h2.5
Fiducials:
  text "'.Layer_Name'" at 132.4,36 h2.5
Outline:
  lines w0.2: 50,4.002 cw(c46,4) 45.998,0 43.1,0 cw(c43.1,1) 42.1,1 42.1,4.2 ; 50,45.999 ccw(c46,46) 46.001,50 5,50 ccw(c5,45) 0,45 0,33.25 ccw(c1,33.25) 1,32.25 4.1,32.25 cw(c4.1,31.25) 5.1,31.25 5.1,18.75 cw(c4.1,18.75) 4.1,17.75 1,17.75 ccw(c1,16.75) 0,16.75 0,5 ccw(c5,5) 5,0 27.9,0 ccw(c27.9,1) 28.9,1 28.9,4.2 ; 50,4.002 50.005,45.999 ; 28.9,4.2 cw(c29.9,4.2) 29.9,5.2 41.1,5.2 ; 28.9,4.2 28.9,4.2 ; 41.1,5.2 cw(c41.1,4.2) 42.1,4.2 ; 41.1,5.2 41.1,5.2 ; 42.1,4.2 42.1,4.2
  text "'.Layer_Name'" at 132.4,33.5 h2.5
3D Body TOP:
  text "'.Layer_Name'" at 132.4,31 h2.5
TOP ASSY:
  text "'.Layer_Name'" at 132.4,28.5 h2.5
Courtyard TOP:
  text "'.Layer_Name'" at 132.4,26 h2.5
PCB Sheet:
  lines w0.7: -31.88,-203.2 -31.88,93.8 ; -31.88,-128.95 -26.88,-128.95 ; -31.88,-54.7 -26.88,-54.7 ; -31.88,19.55 -26.88,19.55 ; -26.88,-167.513 38.727,-167.513 76.827,-167.513 153.12,-167.513 ; -26.88,88.8 153.12,88.8 153.12,-198.2 -26.88,-198.2 -26.88,88.8 ; 11.227,-198.2 11.227,-167.513 ; 11.227,-190.373 153.12,-190.373 ; 11.227,-182.753 153.12,-182.753 ; 11.227,-175.133 153.12,-175.133 ; 33.19,-203.2 33.19,-198.2 ; 33.19,88.8 33.19,93.8 ; 66.667,-198.2 66.667,-182.753 66.667,-167.513 ; 93.12,-203.2 93.12,-198.2 ; 93.12,88.8 93.12,93.8 ; 120.007,-198.2 120.007,-182.753 ; 153.12,-128.95 158.12,-128.95 ; 153.12,-54.7 158.12,-54.7 ; 153.12,19.55 158.12,19.55 ; -51.88,-203.2 -51.88,93.8 158.12,93.8 158.12,-203.2 -51.88,-203.2
  text "1" at 3.12,90.3 h1.78
  text "2" at 63.12,90.3 h1.78
  text "3" at 123.12,90.3 h1.78
  text "A" at -29.88,54.175 h1.78
  text "A" at 155.12,54.175 h1.78
  text "'.Layer_Name'" at 132.4,23.5 h2.5
  text "B" at -29.88,-20.075 h1.78
  text "B" at 155.12,-20.075 h1.78
  text "C" at -29.88,-94.325 h1.78
  text "C" at 155.12,-94.325 h1.78
  text "D" at -29.88,-166.575 h1.78
  text "D" at 155.12,-166.575 h1.78
  text "ENGINEER:" at 12.497,-170.053 h1.14
  text "PROJECT NAME:" at 67.937,-170.053 h1.14
  text "Acme CPU" at 81.71,-173.2 h3
  text "'._HWEngineer'" at 14.909,-173.445 h1.52
  text "ACME CPU" at -21.88,-174.2 h5
  text "PCB DESIGNER:" at 12.497,-177.546 h1.14
  text "BOARD NAME:" at 67.937,-177.553 h1.14
  text "'._CompanyName'" at -21.88,-179.2 h1.78
  text "'._BoardName'" at 81.71,-180.95 h3
  text "'._HWEngineer'" at 14.782,-181.192 h1.52
  text "'._address1'" at -21.88,-184.2 h1.78
  text "DATE:" at 12.497,-185.293 h1.14
  text "PART NO.:" at 67.937,-185.293 h1.14
  text "Ver:" at 121.277,-185.293 h1.14
  text "'._address2'" at -21.88,-186.7 h1.78
  text "'._Revision'" at 130.365,-187.96 h3
  text "20211106" at 14.782,-188.05 h1.78
  text "C204" at 81.71,-188.7 h3
  text "'._address3'" at -21.88,-189.2 h1.27
  text "'._address4'" at -21.88,-191.7 h1.27
  text "FILE NAME:" at 12.497,-192.913 h1.14
  text "SCH. NO.:" at 67.937,-192.913 h1.14
  text "SCALE:" at 121.277,-192.913 h1.14
  text "A4 M1:1" at 131,-195.58 h3
  text "'.Pcb_File_Name_No_Path'" at 14.846,-196.339 h1.78
  text "1" at 3.12,-201.7 h1.78
  text "2" at 63.12,-201.7 h1.78
  text "3" at 123.12,-201.7 h1.78
Drill Drawing:
  text "'.Layer_Name'" at 132.4,-4 h2.5
  text ".Legend" at -24.9,-163.7 h3.5
Courtyard BOT:
  text "'.Layer_Name'" at 147.4,21 h2.5
BOT ASSY:
  text "'.Layer_Name'" at 147.4,18.5 h2.5
Layer Stack:
  drawing of 705 lines, arcs and shapes, not listed
  text "'.Layer_Name'" at 132.4,-6.5 h2.5
  text "Layer" at 1.6,-14.318 h1.35
  text "Name" at 10.852,-14.318 h1.35
  text "Material" at 31.763,-14.318 h1.35
  text "Thickness" at 47.966,-14.318 h1.35
  text "Constant" at 62.6,-14.318 h1.35
  text "Rigid Stack 1" at 75.44,-14.318 h1.35
  text "Top Overlay" at 10.852,-17.009 h1.35
  text "Top Solder" at 10.852,-19.7 h1.35
  text "WE-SM-0001" at 31.763,-19.7 h1.35
  text "0.015mm" at 47.966,-19.7 h1.35
  text "3.5" at 62.6,-19.7 h1.35
  text "1" at 1.6,-22.392 h1.35
  text "1-Top" at 10.852,-22.392 h1.35
  text "0.035mm" at 47.966,-22.392 h1.35
  text "Dielectric 1" at 10.852,-25.083 h1.35
  text "WE-PP-0004" at 31.763,-25.083 h1.35
  text "0.125mm" at 47.966,-25.083 h1.35
  text "3.5" at 62.6,-25.083 h1.35
  text "2" at 1.6,-27.774 h1.35
  text "2-GND" at 10.852,-27.774 h1.35
  text "0.017mm" at 47.966,-27.774 h1.35
  text "Core 1" at 10.852,-30.465 h1.35
  text "WE-CO-0002" at 31.763,-30.465 h1.35
  text "0.100mm" at 47.966,-30.465 h1.35
  text "3.5" at 62.6,-30.465 h1.35
  text "3" at 1.6,-33.157 h1.35
  text "3-SIGNAL" at 10.852,-33.157 h1.35
  text "0.017mm" at 47.966,-33.157 h1.35
  text "Dielectric 2" at 10.852,-35.848 h1.35
  text "WE-PP-0004" at 31.763,-35.848 h1.35
  text "0.125mm" at 47.966,-35.848 h1.35
  text "3.5" at 62.6,-35.848 h1.35
  text "4" at 1.6,-38.539 h1.35
  text "4-PWR" at 10.852,-38.539 h1.35
  text "0.017mm" at 47.966,-38.539 h1.35
  text "Core 2" at 10.852,-41.231 h1.35
  text "WE-CO-0002" at 31.763,-41.231 h1.35
  text "0.100mm" at 47.966,-41.231 h1.35
  text "3.5" at 62.6,-41.231 h1.35
  text "5" at 1.6,-43.922 h1.35
  text "5-GND" at 10.852,-43.922 h1.35
  text "0.017mm" at 47.966,-43.922 h1.35
  text "Dielectric 3" at 10.852,-46.613 h1.35
  text "WE-PP-0004" at 31.763,-46.613 h1.35
  text "0.125mm" at 47.966,-46.613 h1.35
  text "3.5" at 62.6,-46.613 h1.35
  text "6" at 1.6,-49.304 h1.35
  text "6-SIGNAL" at 10.852,-49.304 h1.35
  text "0.017mm" at 47.966,-49.304 h1.35
  text "Core 3" at 10.852,-51.996 h1.35
  text "WE-CO-0002" at 31.763,-51.996 h1.35
  text "0.100mm" at 47.966,-51.996 h1.35
  text "3.5" at 62.6,-51.996 h1.35
  text "7" at 1.6,-54.687 h1.35
  text "7-GND" at 10.852,-54.687 h1.35
  text "0.017mm" at 47.966,-54.687 h1.35
  text "Dielectric 4" at 10.852,-57.378 h1.35
  text "WE-PP-0004" at 31.763,-57.378 h1.35
  text "0.125mm" at 47.966,-57.378 h1.35
  text "3.5" at 62.6,-57.378 h1.35
  text "8" at 1.6,-60.069 h1.35
  text "8-Bottom" at 10.852,-60.069 h1.35
  text "0.035mm" at 47.966,-60.069 h1.35
  text "Bottom Solder" at 10.852,-62.761 h1.35
  text "WE-SM-0001" at 31.763,-62.761 h1.35
  text "0.015mm" at 47.966,-62.761 h1.35
  text "3.5" at 62.6,-62.761 h1.35
  text "Bottom Overlay" at 10.852,-65.452 h1.35

## Dimensions
5,45 to -2,52.9 on Dimensions
46.001,50 to 45.998,0 on Dimensions
0,5 to 50,4.002 on Dimensions
46,46 to 50.8,53.1 on Dimensions

## Text inside footprints (layer, text, board x,y; h text height)
C116: Top Overlay "+" at 11.1,39.4 h1.02 r270; TOP ASSY "+" at 8.992,41.841 h1.02 r270
C117: Top Overlay "+" at 20,39.4 h1.02 r270; TOP ASSY "+" at 17.892,41.841 h1.02 r270
L1: TOP ASSY "1" at 40.4,48.2 h0.5 r270; TOP ASSY "2" at 38.3,48.3 h0.5 r270; TOP ASSY "3" at 38.3,40.5 h0.5 r270; TOP ASSY "4" at 40.4,40.5 h0.5 r270
OLED1: TOP ASSY "30" at 43.8,35.7 h1.02 r270; TOP ASSY "1" at 43.8,15 h1.02 r270
P4: Top Overlay "+" at 49.9,39.7 h1.02 r90; TOP ASSY "+" at 48.1,40 h0.5 r90
P5: BOT ASSY "1" at 23.9,44.4 h0.5 r180; BOT ASSY "5" at 25.9,44.4 h0.5 r180
P6: BOT ASSY "1" at 26.1,4.6 h0.5; BOT ASSY "5" at 24.1,4.6 h0.5
P8: TOP ASSY "B1" at 9.79,21.89 h0.5 r270; TOP ASSY "B12" at 9.83,28.98 h0.5 r270; TOP ASSY "A12" at 13.25,22.31 h0.5 r270; TOP ASSY "A1" at 13.26,28.52 h0.5 r270
X5: BOT ASSY "6" at 47.5,32.5 h0.5 r90; BOT ASSY "5" at 48.8,32.5 h0.5 r90; BOT ASSY "4" at 47.5,33.8 h0.5 r90; BOT ASSY "3" at 48.8,33.8 h0.5 r90; BOT ASSY "2" at 47.5,35.1 h0.5 r90; BOT ASSY "1" at 48.8,35 h0.5 r90
X7: BOT ASSY "6" at 28.9,38.8 h0.5; BOT ASSY "5" at 28.9,37.5 h0.5; BOT ASSY "4" at 30.2,38.8 h0.5; BOT ASSY "3" at 30.2,37.5 h0.5; BOT ASSY "2" at 31.5,38.8 h0.5; BOT ASSY "1" at 31.4,37.5 h0.5
X8: BOT ASSY "6" at 17.7,9.7 h0.5 r180; BOT ASSY "5" at 17.7,11 h0.5 r180; BOT ASSY "4" at 16.4,9.7 h0.5 r180; BOT ASSY "3" at 16.4,11 h0.5 r180; BOT ASSY "2" at 15.1,9.7 h0.5 r180; BOT ASSY "1" at 15.2,11 h0.5 r180
X9: BOT ASSY "6" at 45.5,48.5 h0.5; BOT ASSY "5" at 45.5,47.2 h0.5; BOT ASSY "4" at 46.8,48.5 h0.5; BOT ASSY "3" at 46.8,47.2 h0.5; BOT ASSY "2" at 48.1,48.5 h0.5; BOT ASSY "1" at 48,47.2 h0.5